# Altium PCB Discharge_B4.PcbDoc (part 2 of 2)
Units mm, origin at the board's own origin, x right, y up, seen from the top; angles counter-clockwise.
Board outline 168.78 x 82.3 mm, 4 copper layers (Top Layer, GND, PWR, Bottom Layer), stack 1.369 mm thick; 174 components, 117 nets, 557 pads, 679 vias.
Unrouted connection lines stored in the file: 9.
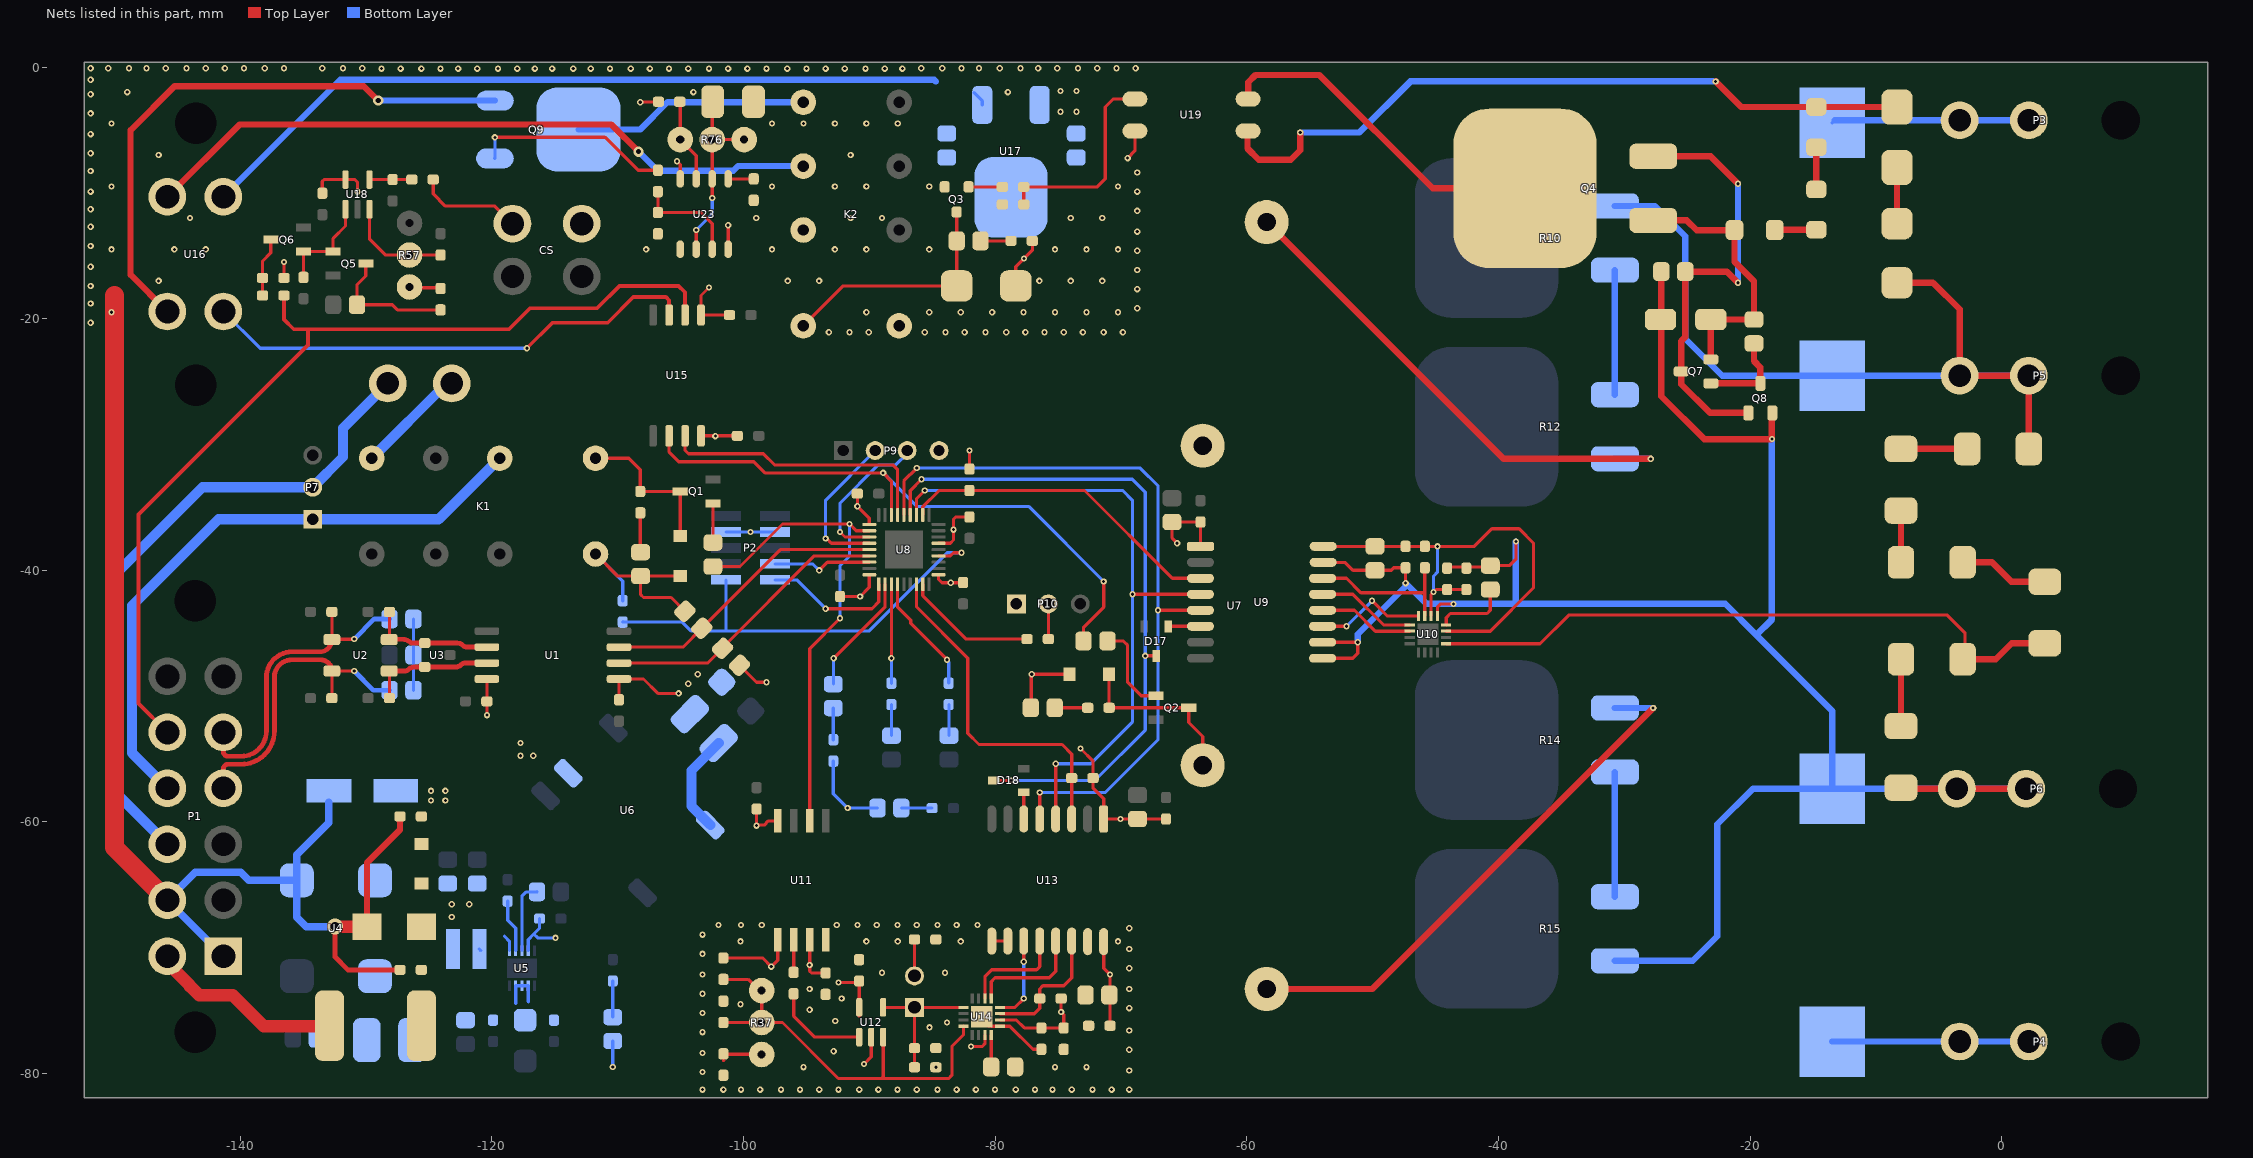
[diagram p4: the nets of this part, all layers, seen from the top]

## Via types
v1: diameter 0.5, hole 0.25, Top Layer to Bottom Layer, 676 vias
v2: diameter 0.8, hole 0.4, Top Layer to Bottom Layer, 2 vias
v3: diameter 1.27, hole 0.711, Top Layer to Bottom Layer, 1 vias

## Nets (pads, with @x,y where several pads share a name; then routed paths per layer and width w, separated by ;. In a path a pad name is that pad's centre, name@x,y a point inside that pad or via, vN(x,y) a via of type N, cw(c..) or ccw(c..) an arc to the next point about the centre after c; other vN are vias at no path point) (continued)
3V3: C2.2 C21.2 C22.2 C23.2 C24.2 C25.2 C30.1 C31.1 C35.2 C42.1 C43.1 C48.2 D5.A D6.A D7.K D8.A D9.K K1.1 L3.1 P2.7 P2.8 P9.4 P10.1 R16.2 R19.2 R20.2 R21.2 R22.2 R23.2 U1.1 U7.2 U8.1 U8.6 U8.19 U8.27 U9.1 U11.8 U13.1 U15.8 | length 81.2
  Top Layer w0.254: K1.1@-111.76,-38.708 -110.009,-40.459 D6.A@-108.178,-40.459 ; C2.2@-109.896,-50.292 U1.1@-109.896,-48.641 -107.95,-48.641 -106.807,-49.784 v1(-105.156,-49.784) ; D7.K@-105.029,-40.437 -105.051,-40.459 D6.A@-108.178,-40.459 ; R20.2@-104.658,-43.26 -105.754,-42.164 -107.95,-42.164 -108.178,-41.936 D6.A@-108.178,-40.459 ; U15.8@-103.378,-29.311 C48.2@-100.486,-29.311 ; R19.2@-100.32,-47.545 -98.97,-48.895 v1(-98.171,-48.895) ; C35.2@-98.959,-58.977 v1(-98.959,-60.299) -98.912,-60.252 -98.352,-60.252 -98.018,-59.918 U11.8@-97.282,-59.918 ; C25.2@-92.329,-42.086 v1(-90.727,-42.086) -89.999,-41.358 U8.27@-89.999,-40.354 ; C24.2@-90.949,-33.909 v1(-90.949,-34.908) -89.999,-35.858 U8.19@-89.999,-36.354 ; U8.6@-84.499,-37.854 -83.574,-37.854 -83.312,-37.592 v1(-83.312,-36.767) -83.312,-35.941 -83.136,-35.765 C22.2@-82.042,-35.765 ; U8.1@-84.497,-40.356 U8.1@-84.499,-40.354 -84.499,-40.723 -84.226,-40.996 v1(-83.528,-40.996) C23.2@-82.829,-40.996 ; R22.2@-82.042,-31.955 v1(-82.042,-30.48) ; D8.A@-77.162,-50.927 -77.125,-50.891 -77.125,-48.296 v1(-77.089,-48.26) D9.K@-74.092,-48.26 ; v1(-73.215,-54.165) -72.214,-55.167 R23.2@-72.214,-56.515 -72.214,-57.326 -71.374,-58.166 U13.1@-71.374,-59.766 v1(-70.027,-59.766) C43.1@-68.681,-59.766 C42.1@-66.421,-59.766 ; v1(-65.532,-37.846) -65.938,-37.44 C31.1@-65.938,-36.165 C30.1@-63.678,-36.165 U9.1@-63.678,-38.1
  Bottom Layer w0.254: K1.1@-111.76,-38.708 -109.601,-40.867 R21.2@-109.601,-42.418 ; P2.7@-101.391,-36.957 P2.8@-97.491,-36.957 ; R16.2@-92.863,-55.167 -92.863,-57.759 v1(-91.72,-58.902) D5.A@-89.354,-58.902
  other v1: -104.394,-49.022 -103.632,-48.26 -99.441,-36.957 -102.235,-29.337
5kW: P1.8 R60.1 U15.2 | length 76.2
  Top Layer w0.3: P1.8@-145.796,-52.877 -148.082,-50.591 -148.082,-35.56 -134.62,-22.098 -134.62,-20.848 ; R60.1@-136.525,-18.161 -136.525,-20.066 -135.743,-20.848 -134.62,-20.848 ; U15.2@-104.648,-19.711 -104.648,-19.254 U15.2@-104.498,-19.104 ; U15.2@-104.648,-19.104 -104.648,-17.907 -105.156,-17.399 -109.855,-17.399 -111.633,-19.177 -116.967,-19.177 -118.638,-20.848 -134.62,-20.848
5V: C1.2 C17.2 C19.2 C20.2 C47.2 C56.2 CS.2 D4.A L2.1 R56.2 R57.1 R59.2 U1.8 U5.4 U6.2 U15.1 U18.5 | length 22.5
  Top Layer w0.254: R59.2@-136.525,-16.764 v1(-136.525,-15.494) ; C56.2@-133.477,-9.674 -133.477,-9.09 -133.328,-8.941 U18.5@-131.633,-8.941 -130.9,-8.941 -130.683,-9.157 v1(-130.683,-9.906) ; R57.1@-126.543,-17.485 -126.483,-17.545 -124.138,-17.545 R56.2@-124.079,-17.604 ; v1(-120.396,-51.513) C1.2@-120.396,-50.419 U1.8@-120.396,-48.641 ; v1(-102.743,-17.526) -103.378,-18.161 U15.1@-103.378,-19.711 C47.2@-101.11,-19.711
  Bottom Layer w0.254: U5.4@-117.11,-70.231 -117.11,-69.358 -116.661,-68.909 ; C17.2@-116.213,-67.687 -116.213,-68.461 -116.661,-68.909 ; v1(-114.935,-69.215) -116.356,-69.215 -116.661,-68.909 ; v1(-110.389,-79.476) D4.A@-110.389,-77.416
  other v1: -123.19,-67.564 -123.19,-66.548 -121.793,-66.548 -117.729,-54.737 -116.713,-54.737 -117.729,-53.721
12V: C50.2 D15.K K2.4 K2.16 R5.2 R46.2 U17.3 U19.4 U23.4 U23.8 | length 11.3
  Top Layer w0.254: v1(-108.204,-2.794) -108.187,-2.777 -106.78,-2.777 R46.2@-106.763,-2.76 ; v1(-105.283,-7.493) -105.029,-7.747 U23.8@-105.029,-8.89 ; U23.4@-101.219,-14.478 v1(-101.219,-12.573) ; D15.K@-78.358,-17.399 -78.358,-15.874 -77.04,-14.556 R5.2@-77.04,-13.817 ; v1(-69.469,-7.239) -68.893,-6.663 U19.4@-68.893,-5.207
  other v1: -77.699,-15.215 -74.803,-3.556 -73.533,-3.556 -74.803,-1.905 -73.533,-1.905
BOOT0: P10.2 R24.1 | length 2.8
  Top Layer w0.254: P10.2@-75.819,-42.672 P10.2@-75.794,-42.697 ; R24.1@-75.795,-45.491 R24.1@-75.77,-45.466 R24.1@-75.794,-45.442 ; R24.1@-75.77,-45.442 P10.2@-75.77,-42.697
CAN1_F_N: C5.2 U1.6 U2.3 U3.1 | length 10.1
  Top Layer w0.254: U2.3@-128.143,-45.484 C5.2@-128.143,-43.307
  Top Layer w0.381: U2.3@-128.143,-45.484 -127.062,-45.484 cw(c-127.062,-46.29) -126.492,-45.72 ccw(c-126.333,-45.561) -126.333,-45.786 U3.1@-125.333,-45.786 -122.755,-45.786 cw(c-122.755,-46.428) -122.301,-45.974 ccw(c-121.994,-45.667) -121.994,-46.101 U1.6@-120.396,-46.101
CAN1_F_P: C6.2 U1.7 U2.4 U3.2 | length 10.1
  Top Layer w0.254: U2.4@-128.165,-48.006 -128.143,-48.028 C6.2@-128.143,-50.165
  Top Layer w0.381: U2.4@-128.165,-48.006 -126.926,-48.006 ccw(c-126.926,-47.572) -126.619,-47.879 cw(c-126.153,-48.345) -126.153,-47.686 U3.2@-125.333,-47.686 -122.882,-47.686 ccw(c-122.882,-47.044) -122.428,-47.498 cw(c-122.121,-47.805) -122.121,-47.371 U1.7@-120.396,-47.371
CAN1_N: C3.2 P1.5 R4.1 U2.2 | length 25
  Top Layer w0.254: C3.2@-132.715,-43.307 U2.2@-132.715,-45.506 -132.695,-45.486 -130.957,-45.486 v1(-130.937,-45.466)
  Top Layer w0.381: P1.5@-141.346,-52.877 -141.346,-54.404 ccw(c-140.965,-54.404) -140.965,-54.785 -139.926,-54.785 ccw(c-139.926,-52.781) -138.509,-54.198 ccw(c-139.926,-52.781) -137.922,-52.781 -137.922,-48.509 cw(c-135.895,-48.509) -135.895,-46.482 -133.691,-46.482 ccw(c-133.691,-45.506) U2.2@-132.715,-45.506
  Bottom Layer w0.381: v1(-130.937,-45.466) -129.338,-43.867 R4.1@-128.138,-43.867
CAN1_P: C4.2 P1.4 R3.2 U2.1 | length 24.8
  Top Layer w0.254: C4.2@-132.715,-50.165 U2.1@-132.715,-48.006 v1(-130.937,-48.006)
  Top Layer w0.381: P1.4@-141.346,-57.327 -141.346,-55.801 cw(c-140.965,-55.801) -140.965,-55.42 -139.922,-55.42 ccw(c-139.922,-52.789) -138.062,-54.649 -138.057,-54.644 ccw(c-139.916,-52.785) -137.287,-52.785 -137.287,-48.509 cw(c-135.895,-48.509) -135.895,-47.117 -133.604,-47.117 cw(c-133.604,-48.006) U2.1@-132.715,-48.006
  Bottom Layer w0.381: v1(-130.937,-48.006) -129.413,-49.53 R3.2@-128.138,-49.53
CAN_RX_INDC: R18.2 U8.31 | length 9.5
  Top Layer w0.254: U8.31@-87.749,-41.104 -87.749,-42.934 -86.706,-43.977 -86.706,-44.223 v1(-83.818,-47.111)
  Bottom Layer w0.254: v1(-83.818,-47.111) -83.818,-47.178 -83.693,-47.302 R18.2@-83.693,-48.947
CAN_TX_INDC: R17.2 U8.30 | length 7.9
  Top Layer w0.254: v1(-88.249,-46.99) U8.30@-88.249,-41.104
  Bottom Layer w0.254: R17.2@-88.249,-48.973 v1(-88.249,-46.99)
CLK_ADC: U13.13 U14.13 | length 9.2
  Top Layer w0.254: U14.13@-80.313,-74.041 -80.313,-72.693 -80.01,-72.39 -75.692,-72.39 -75.184,-71.882 U13.13@-75.184,-69.468
CLK_HV: U9.13 U10.13 | length 7.9
  Top Layer w0.254: U9.13@-53.976,-41.91 -51.562,-41.91 -49.133,-44.339 U10.13@-47.047,-44.339
Clock: R47.1 R49.2 U23.3 | length 8.4
  Top Layer w0.254: R47.1@-106.807,-9.906 R49.2@-106.807,-11.557 -103.378,-11.557 -102.489,-12.446 U23.3@-102.489,-14.478
CS_ADC: R39.1 U13.14 U14.11 | length 10.7
  Top Layer w0.254: U14.11@-79.613,-75.241 -76.892,-75.241 -76.454,-74.803 R39.1@-76.454,-74.041 -76.454,-73.279 -76.2,-73.025 -74.549,-73.025 -73.914,-72.39 U13.14@-73.914,-69.468
CS_HV: R32.1 U9.14 U10.11 | length 12.5
  Top Layer w0.254: U9.14@-53.976,-40.64 -52.07,-40.64 -50.927,-41.783 -45.91,-41.783 -45.847,-41.719 ; U10.11@-45.847,-43.639 -45.847,-41.719 ; R32.1@-45.847,-39.8 -45.847,-41.719
Discharge: R46.1 R76.3 U23.7 | length 6.7
  Top Layer w0.254: R46.1@-105.029,-2.76 R76.3@-105.029,-5.766 -103.759,-7.036 U23.7@-103.759,-8.89
DISCHARGE_DISABLE: U15.3 U16.1 | length 39.6
  Top Layer w0.3: v1(-117.221,-22.352) -115.189,-20.32 -110.794,-20.32 -108.762,-18.288 -106.172,-18.288 -105.918,-18.542 U15.3@-105.918,-19.711
  Bottom Layer w0.254: U16.1@-141.346,-19.431 -138.425,-22.352 v1(-117.221,-22.352)
GL_IN: HVD.1@-128.27,-25.146 P1.10 P7.2 | length 52.8
  Bottom Layer w0.8: P1.10@-145.796,-61.777 -150.368,-57.205 -150.368,-40.767 -143.002,-33.401 P7.2@-134.239,-33.401 -131.826,-30.988 -131.826,-28.702 HVD.1@-128.27,-25.146
GL_INT: HVD.1@-123.19,-25.146 K1.9 | length 8.8
  Bottom Layer w0.8: K1.9@-129.54,-31.088 -123.598,-25.146 HVD.1@-123.19,-25.146
GL_OUT: K1.13 P1.9 P7.1 | length 49.7
  Bottom Layer w0.8: P1.9@-145.796,-57.327 -148.59,-54.533 -148.59,-42.799 -141.732,-35.941 P7.1@-134.239,-35.941 -124.233,-35.941 K1.13@-119.38,-31.088
GLV+: F1.1 P1.12 | length 15.5
  Top Layer w0.8: F1.1@-132.94,-76.237 F1.1@-132.903,-76.2
  Top Layer w1: P1.12@-145.796,-70.677 -145.796,-71.218 -143.999,-73.015 -143.999,-73.044 -143.256,-73.787 -140.589,-73.787 -138.139,-76.237 F1.1@-132.94,-76.237
GLV-: C11.1 C12.1 C13.1 C49.1 C50.1 C51.1 C52.1 D3.K P1.1 P1.11 Q3.E R43.1 R49.1 U4.4 U17.2 U23.1 | length 101.9
  Top Layer w0.254: C12.1@-127.581,-59.841 -127.581,-59.83 -127.313,-59.563 C12.1@-127.303,-59.563
  Top Layer w0.4: v3(-132.461,-68.326) -132.461,-70.739 -131.445,-71.755 C11.1@-127.303,-71.755
  Top Layer w0.508: D3.K@-129.927,-68.326 -129.927,-63.252 -127.303,-60.628 C12.1@-127.303,-59.563
  Top Layer w1: v3(-132.461,-68.326) D3.K@-129.927,-68.326
  Top Layer w1.5: -149.987,-18.161 -149.987,-62.036 P1.11@-145.796,-66.227
  Bottom Layer w0.6: P1.1@-141.346,-70.677 P1.11@-145.796,-66.227 -143.577,-64.008 -139.954,-64.008 -139.319,-64.643 U4.4@-135.506,-64.643 ; C13.1@-132.952,-58.42 -132.952,-60.054 -135.506,-62.608 U4.4@-135.506,-64.643 ; v3(-132.461,-68.326) -134.747,-68.326 -135.506,-67.567 U4.4@-135.506,-64.643
  other v1: -93.218,-21.082 -91.567,-21.082 -90.043,-21.082 -85.598,-21.082 -83.947,-21.082 -82.423,-21.082 -80.772,-21.082 -79.121,-21.082 -77.597,-21.082 -76.073,-21.082 -74.549,-21.082 -73.025,-21.082 -71.374,-21.082 -69.85,-21.082 -151.892,-20.32 -150.237,-19.493 -90.237,-19.493 -85.237,-19.493 -82.737,-19.493 -80.237,-19.493 -77.737,-19.493 -75.237,-19.493 -72.737,-19.493 -70.237,-19.493 -68.707,-19.177 -151.892,-18.796 -68.707,-17.653 -151.892,-17.399 -146.487,-16.993 -96.487,-16.993 -93.987,-16.993 -76.487,-16.993 -73.987,-16.993 -71.487,-16.993 -68.707,-16.129 -151.892,-15.875 -68.707,-14.605 -150.237,-14.493 -145.237,-14.493 -142.737,-14.493 -107.737,-14.493 -97.737,-14.493 -92.737,-14.493 -90.237,-14.493 -85.237,-14.493 -75.237,-14.493 -72.737,-14.493 -70.237,-14.493 -151.892,-14.224 -68.707,-13.081 -151.892,-12.7 -143.987,-11.993 -98.987,-11.993 -91.487,-11.993 -88.987,-11.993 -73.987,-11.993 -71.487,-11.993 -68.707,-11.43 -151.892,-11.303 -151.892,-9.906 -68.707,-9.906 -150.237,-9.493 -97.737,-9.493 -92.737,-9.493 -90.237,-9.493 -85.237,-9.493 -70.237,-9.493 -68.707,-8.382 -151.892,-8.255 -146.487,-6.993 -91.487,-6.993 -151.892,-6.858 -151.892,-5.334 -150.237,-4.493 -97.737,-4.493 -95.237,-4.493 -92.737,-4.493 -90.237,-4.493 -87.737,-4.493 -151.892,-3.683 -151.892,-2.159 -148.987,-1.993 -103.987,-1.993 -78.987,-1.993 -151.892,-1.016 -128.778,-0.127 -127.254,-0.127 -125.603,-0.127 -124.079,-0.127 -122.682,-0.127 -121.158,-0.127 -119.507,-0.127 -117.983,-0.127 -116.586,-0.127 -115.211,-0.127 -113.538,-0.127 -112.141,-0.127 -110.611,-0.127 -108.966,-0.127 -107.442,-0.127 -105.918,-0.127 -104.394,-0.127 -102.743,-0.127 -101.219,-0.127 -99.695,-0.127 -98.171,-0.127 -96.52,-0.127 -94.996,-0.127 -93.472,-0.127 -91.948,-0.127 -90.297,-0.127 -88.773,-0.127 -87.376,-0.127 -151.892,-0.1 -150.495,-0.1 -148.844,-0.1 -147.447,-0.1 -145.923,-0.1 -144.272,-0.1 -142.748,-0.1 -141.224,-0.1 -139.7,-0.1 -138.049,-0.1 -136.525,-0.1 -133.477,-0.1 -131.826,-0.1 -130.302,-0.1 -85.871,-0.1 -84.201,-0.1 -82.677,-0.1 -81.28,-0.1 -79.629,-0.1 -77.978,-0.1 -76.581,-0.1 -75.057,-0.1 -73.406,-0.1 -71.882,-0.1 -70.358,-0.1 -68.834,-0.1
GND_PDOC: C36.1 C37.1 C38.1 C39.1 C40.2 C41.2 C44.1 C45.1 C46.1 R35.1 R38.1 U11.4 U12.2 U13.9 U13.10 U13.15 U14.9 U14.17 | length 8.9
  Top Layer w0.254: v1(-90.424,-79.248) -89.85,-78.674 U12.2@-89.85,-77.8 ; U14.17@-81.063,-75.491 ccw(c-80.313,-75.491) -80.313,-76.241 U14.9@-79.613,-76.241 -78.826,-76.241 -76.991,-78.076 C45.1@-76.327,-78.076 ; U13.9@-80.264,-69.469 U13.10@-78.994,-69.468
  other v1: -103.251,-81.28 -101.6,-81.28 -100.203,-81.28 -98.679,-81.28 -97.028,-81.28 -95.504,-81.28 -93.98,-81.28 -92.456,-81.28 -90.805,-81.28 -89.281,-81.28 -87.757,-81.28 -86.233,-81.28 -84.582,-81.28 -83.058,-81.28 -81.534,-81.28 -80.01,-81.28 -78.359,-81.28 -76.835,-81.28 -75.438,-81.28 -73.914,-81.28 -72.263,-81.28 -70.739,-81.28 -69.342,-81.28 -103.251,-79.883 -69.342,-79.756 -95.237,-79.493 -75.237,-79.493 -72.737,-79.493 -103.251,-78.359 -92.837,-78.232 -69.342,-78.105 -103.251,-76.708 -69.342,-76.581 -85.217,-76.327 -83.82,-75.946 -92.71,-75.819 -103.251,-75.184 -94.742,-74.93 -69.342,-74.803 -100.237,-74.493 -92.202,-74.041 -103.251,-73.66 -94.742,-73.279 -69.342,-73.279 -103.251,-72.136 -88.987,-71.993 -83.987,-71.993 -69.342,-71.628 -103.251,-70.485 -69.342,-70.104 -100.237,-69.493 -90.237,-69.493 -87.737,-69.493 -82.737,-69.493 -70.237,-69.493 -103.251,-68.961 -69.342,-68.453 -101.981,-68.199 -100.203,-68.199 -98.552,-68.199 -92.583,-68.199 -90.932,-68.199 -89.408,-68.199 -87.757,-68.199 -86.233,-68.199 -84.582,-68.199 -83.058,-68.199 -81.407,-68.199
HB: D10.K U8.29 | length 9.6
  Top Layer w0.254: v1(-92.837,-46.99) -88.749,-42.902 U8.29@-88.749,-41.104
  Bottom Layer w0.254: D10.K@-92.837,-49.025 v1(-92.837,-46.99)
HIGH_SENSE: CS.1 R58.1 | length 8.4
  Top Layer w0.254: R58.1@-124.665,-8.941 -124.665,-10.082 -123.698,-11.049 -119.761,-11.049 CS.1@-118.364,-12.446
"HV MC +": D2.A P5.1 P5.2 R1.2 R10.1 R26.2 | length 65.7
  Top Layer w0.508: D2.A@-8.319,-17.145 -5.461,-17.145 -3.341,-19.265 P5.2@-3.341,-24.528 P5.1@2.159,-24.528 R26.2@2.159,-30.353
  Bottom Layer w0.508: R10.1@-30.737,-11.043 -27.565,-11.043 -25.146,-13.462 -25.146,-21.59 -22.208,-24.528 R1.2@-13.462,-24.528 P5.2@-3.341,-24.528 P5.1@2.159,-24.528
"HV MC-": C28.2 C29.2 C32.1 C33.1 C34.1 D20.A P6.1 P6.2 Q8.E R2.2 R15.2 R31.1 R48.1 U9.9 U9.10 U9.15 U10.9 | length 171.5
  Top Layer w0.254: U9.10@-53.976,-45.72 v1(-51.181,-45.72) -51.181,-46.609 -51.562,-46.99 U9.9@-53.975,-46.99 ; U9.15@-53.925,-39.37 -52.197,-39.37 -51.567,-40 C29.2@-49.81,-40 -48.509,-40 -48.309,-39.8 C28.2@-47.371,-39.8 v1(-47.371,-41.021) ; U10.9@-44.847,-43.639 -44.845,-43.637 -44.845,-42.94 -44.577,-42.672 v1(-43.561,-42.672) ; C34.1@-44.069,-39.829 -43.969,-39.729 -40.74,-39.729 C32.1@-40.64,-39.629 -39.121,-39.629 -38.608,-39.116 v1(-38.608,-37.719) ; D20.A@-27.114,-20.066 D20.A@-27.046,-19.998 ; v1@-18.288,-29.591 v1(-18.257,-29.56) ; Q8.E@-18.257,-27.522 Q8.E@-18.227,-27.491 ; R31.1@-8.001,-57.277 R31.1@-7.923,-57.355
  Top Layer w0.508: R48.1@-27.046,-16.256 -27.046,-19.998 -27.046,-26.167 -23.622,-29.591 v1@-18.288,-29.591 ; v1(-18.257,-29.56) Q8.E@-18.257,-27.522 ; R31.1@-7.923,-57.355 P6.2@-3.556,-57.355 P6.1@1.944,-57.355
  Bottom Layer w0.508: v1(-51.181,-45.72) -51.181,-45.085 -47.371,-41.275 v1(-47.371,-41.021) -45.72,-42.672 v1(-43.561,-42.672) -38.608,-42.672 ; v1(-38.608,-37.719) -38.608,-42.672 ; R15.2@-30.737,-71.042 -24.56,-71.042 -22.606,-69.088 -22.606,-60.198 -19.763,-57.355 R2.2@-13.462,-57.355 ; v1(-18.257,-29.56) -18.257,-43.912 -19.494,-45.149 ; P6.1@1.944,-57.355 P6.2@-3.556,-57.355 R2.2@-13.462,-57.355 ; -38.608,-42.672 -21.971,-42.672 -19.494,-45.149 ; -19.494,-45.149 -13.462,-51.181 R2.2@-13.462,-57.355
HVVDD: C28.1 C29.1 C33.2 C34.2 R32.2 U9.16 U10.7 U10.10 | length 38.2
  Top Layer w0.254: U9.16@-53.925,-38.1 C29.1@-49.81,-38.1 C28.1@-47.371,-38.1 R32.2@-45.847,-38.1 v1(-44.831,-38.1) -41.91,-38.1 -40.513,-36.703 -38.354,-36.703 -37.211,-37.846 -37.211,-41.402 -40.648,-44.839 U10.7@-44.147,-44.839 ; U10.10@-45.347,-43.639 -45.347,-41.918 v1(-45.153,-41.724) -44.958,-41.529 C34.2@-44.069,-41.529 C33.2@-42.545,-41.529
  Bottom Layer w0.254: v1(-45.153,-41.724) -45.153,-40.454 -44.831,-40.132 v1(-44.831,-38.1) v1@-44.831,-38.065
MISO_ADC: U13.11 U14.12 | length 6.8
  Top Layer w0.254: U14.12@-79.613,-74.741 -78.424,-74.741 v1(-77.724,-74.041) ; v1(-77.724,-71.12) U13.11@-77.724,-69.468
  Bottom Layer w0.254: v1(-77.724,-74.041) v1(-77.724,-71.12)
MISO_HV: U9.11 U10.12 | length 9
  Top Layer w0.254: U9.11@-53.976,-44.45 v1(-52.07,-44.45) ; v1(-50.038,-42.418) -48.817,-43.639 U10.12@-46.347,-43.639
  Bottom Layer w0.254: v1(-52.07,-44.45) v1(-50.038,-42.418)
MOSI_ADC: U13.12 U14.14 | length 8.5
  Top Layer w0.254: U14.14@-80.813,-74.041 -80.813,-72.304 -80.264,-71.755 -76.708,-71.755 -76.454,-71.501 U13.12@-76.454,-69.468
MOSI_HV: U9.12 U10.14 | length 7.6
  Top Layer w0.254: U9.12@-53.976,-43.18 -51.435,-43.18 -49.776,-44.839 U10.14@-47.047,-44.839
NetC7_2: C7.2 R3.1 R4.2 | length 5.7
  Bottom Layer w0.254: R3.1@-126.238,-49.53 C7.2@-126.238,-46.736 R4.2@-126.238,-43.867
NetC8_2: C8.2 L1.2 U4.2
NetC11_2: C11.2 D1.A D3.A F1.2
NetC16_2: C16.2 U5.3 | length 5.7
  Bottom Layer w0.254: U5.3@-117.61,-70.231 -117.61,-65.896 -117.295,-65.581 -116.436,-65.581 C16.2@-116.413,-65.558
NetC18_2: C18.2 U5.2 | length 4.2
  Bottom Layer w0.254: C18.2@-118.745,-66.294 -118.745,-67.818 -118.11,-68.453 U5.2@-118.11,-70.231
NetC32_2: C32.2 U10.8 | length 6
  Top Layer w0.254: U10.8@-44.147,-44.339 -44.147,-43.766 -43.815,-43.434 -40.894,-43.434 -40.64,-43.18 C32.2@-40.64,-41.529
NetC36_2: C36.2 P11.2 R33.1 U12.4 U14.1 | length 11.1
  Top Layer w0.254: U12.4@-88.9,-74.741 P11.2@-86.409,-74.741 ; R33.1@-86.409,-79.502 C36.2@-86.409,-77.978 P11.2@-86.409,-74.741 ; U14.1@-82.513,-74.741 P11.2@-86.409,-74.741
NetC39_2: C39.2 R36.1 R37.1 R37.2 U12.3 U14.4 | length 33.2
  Top Layer w0.254: C39.2@-101.6,-75.946 R37.2@-98.552,-75.946 ; R36.1@-101.6,-72.517 -99.639,-72.517 R37.1@-98.75,-73.406 ; R37.1@-98.75,-73.914 -98.552,-73.914 R37.2@-98.552,-75.946 ; U12.3@-88.9,-77.103 -88.9,-80.242 -89.049,-80.391 ; U14.4@-82.513,-76.241 -82.513,-76.925 -83.439,-77.851 -83.439,-80.137 -83.693,-80.391 -89.049,-80.391 ; R37.2@-98.552,-75.946 -96.901,-75.946 -92.456,-80.391 -89.049,-80.391
NetC44_2: C44.2 U14.8 | length 2.5
  Top Layer w0.254: C44.2@-80.313,-79.476 U14.8@-80.313,-76.941
NetC51_2: C51.2 U23.5 | length 2
  Top Layer w0.254: U23.5@-101.219,-8.89 C51.2@-99.187,-8.89
NetC55_2: C55.2 R57.2 U18.3 | length 8.5
  Top Layer w0.254: U18.3@-129.733,-11.303 -129.733,-13.65 -128.438,-14.945 R57.2@-126.543,-14.945 C55.2@-124.079,-14.945
NetC57_2: C57.2 R58.2 U18.4 | length 3.4
  Top Layer w0.254: U18.4@-129.733,-8.941 -127.696,-8.941 R58.2@-126.365,-8.941
NetD2_K: D2.K D13.K | length 4.6
  Top Layer w0.508: D2.K@-8.319,-12.445 D13.K@-8.319,-7.852
NetD4_K: D4.K R6.2 | length 2.9
  Bottom Layer w0.254: D4.K@-110.389,-75.516 R6.2@-110.389,-72.644
NetD5_K: D5.K R7.2 | length 2.4
  Bottom Layer w0.254: D5.K@-87.454,-58.902 R7.2@-85.012,-58.902
NetD6_K: D6.K R8.2 | length 3.1
  Top Layer w0.254: R8.2@-108.204,-35.433 -108.204,-38.533 D6.K@-108.178,-38.559
NetD7_A: D7.A K1.16 Q1.D R8.1 | length 12.4
  Top Layer w0.254: K1.16@-111.76,-31.088 -109.12,-31.088 -108.204,-32.004 R8.1@-108.204,-33.733 Q1.D@-105.029,-33.733 D7.A@-105.029,-37.287
NetD8_K: D8.K R13.2 | length 2.6
  Top Layer w0.254: D8.K@-75.262,-50.927 R13.2@-72.642,-50.927
NetD9_A: D9.A Q2.D R13.1 U7.3 | length 14
  Top Layer w0.254: D9.A@-70.942,-48.26 R13.1@-70.942,-50.927 Q2.D@-64.613,-50.927 -64.613,-52.1 -63.5,-53.213 U7.3@-63.5,-55.499
NetD10_A: D10.A R16.1 | length 2.5
  Bottom Layer w0.254: R16.1@-92.863,-53.467 D10.A@-92.863,-50.952
NetD11_A: D11.A R17.1 | length 2.5
  Bottom Layer w0.254: D11.A@-88.249,-53.14 R17.1@-88.249,-50.673
NetD12_A: D12.A R18.1 | length 2.5
  Bottom Layer w0.254: D12.A@-83.667,-53.14 R18.1@-83.667,-50.673
NetD13_A: D13.A R40.2 U19.1 | length 56.7
  Top Layer w0.508: U19.1@-59.944,-5.207 -59.944,-6.477 -59.055,-7.366 -56.515,-7.366 -55.753,-6.604 v1(-55.753,-5.207) ; v1(-22.733,-1.143) -20.701,-3.175 R40.2@-15.367,-3.175 ; R40.2@-14.732,-3.175 D13.A@-8.441,-3.175
  Bottom Layer w0.508: v1(-55.753,-5.207) -51.054,-5.207 -46.99,-1.143 v1(-22.733,-1.143)
NetD15_A: D15.A D19.K K2.1 Q3.C | length 19.4
  Top Layer w0.254: K2.1@-95.25,-20.574 -92.075,-17.399 D15.A@-83.058,-17.399 D19.K@-83.058,-13.817 Q3.C@-83.058,-11.525
NetD16_A: D16.A Q5.D R56.1 | length 10.1
  Top Layer w0.254: Q5.D@-130.018,-15.616 -130.018,-16.607 -130.718,-17.307 D16.A@-130.718,-18.897 -127.915,-18.897 -127.508,-19.304 R56.1@-124.333,-19.304
NetD17_A: D17.A U9.6 | length 2.6
  Top Layer w0.254: D17.A@-66.233,-44.386 ccw(c-66.169,-44.386) -66.169,-44.45 U9.6@-63.678,-44.45
NetD17_K: D17.K D18.K U8.13 | length 54.9
  Top Layer w0.254: U8.13@-86.749,-35.604 -86.749,-33.663 v1(-85.852,-32.766) ; D18.K@-80.074,-56.708 v1(-78.74,-56.708) ; v1@-68.072,-46.736 ccw(c-68.008,-46.736) -68.008,-46.8 D17.K@-67.183,-46.8
  Bottom Layer w0.254: v1(-85.852,-32.766) -69.088,-32.766 -68.072,-33.782 -68.072,-52.705 -72.075,-56.708 v1(-78.74,-56.708)
  other v1: -68.072,-46.8
NetD18_A: D18.A U13.6 | length 2.1
  Top Layer w0.254: U13.6@-77.724,-59.766 D18.A@-77.724,-57.658
NetD19_A: D19.A R5.1 | length 2.4
  Top Layer w0.254: D19.A@-81.158,-13.817 R5.1@-78.74,-13.817
NetD20_K: D20.K Q4.G Q7.E R44.1 R45.2 | length 21.1
  Top Layer w0.508: Q4.G@-27.686,-12.192 -25.019,-12.192 -24.231,-12.98 -21.26,-12.98 R44.1@-21.234,-12.954 -21.234,-15.469 -19.685,-17.018 R45.2@-19.685,-20.066 D20.K@-23.114,-20.066 Q7.E@-23.114,-23.241
NetL2_2: L2.2 U5.1 | length 1.5
  Bottom Layer w0.254: L2.2@-120.997,-70.104 L2.2@-120.87,-70.231 ; -118.999,-69.088 -118.61,-69.477 U5.1@-118.61,-70.231
NetL3_2: L3.2 U6.5 | length 8
  Bottom Layer w0.8: U6.5@-102.637,-60.25 -104.14,-58.747 -104.14,-55.904 L3.2@-101.969,-53.733
NetP3_1: P3.1 P3.2 R1.1 | length 15.7
  Bottom Layer w0.254: R1.1@-13.462,-4.428 R1.1@-13.264,-4.23
  Bottom Layer w0.508: R1.1@-13.264,-4.23 P3.2@-3.341,-4.23 P3.1@2.159,-4.23
NetP4_1: P4.1 P4.2 R2.1 | length 15.6
  Bottom Layer w0.508: R2.1@-13.462,-77.455 P4.2@-3.341,-77.455 P4.1@2.159,-77.455
NetP11_1: P11.1 R35.2 | length 3
  Top Layer w0.254: P11.1@-86.409,-72.303 R35.2@-86.409,-69.342
NetQ1_G: Q1.G R9.2 | length 3.1
  Top Layer w0.254: R9.2@-102.429,-37.797 Q1.G@-102.429,-34.683
NetQ2_G: Q2.G R11.2 | length 7.4
  Top Layer w0.254: R11.2@-71.071,-45.619 -69.824,-45.619 -69.469,-45.974 -69.469,-48.895 -68.387,-49.977 Q2.G@-67.213,-49.977
NetQ3_B: Q3.B R42.2 | length 2.7
  Top Layer w0.254: Q3.B@-82.108,-9.525 R42.2@-79.424,-9.525
NetQ4_D: Q4.D U19.2 | length 27.3
  Top Layer w0.508: U19.2@-59.893,-2.54 -59.893,-1.219 -59.309,-0.635 -54.229,-0.635 -45.222,-9.642 Q4.D@-37.886,-9.642
NetQ4_S: Q4.S Q7.C Q8.B R48.2 | length 35.4
  Top Layer w0.508: Q4.S@-27.686,-7.092 -23.134,-7.092 v1(-20.955,-9.271) ; v1(-20.955,-17.145) -21.844,-16.256 R48.2@-25.146,-16.256 -25.146,-21.463 -25.464,-21.781 -25.464,-25.209 -23.182,-27.491 Q8.B@-20.127,-27.491
  Bottom Layer w0.508: v1(-20.955,-17.145) v1(-20.955,-9.271)
NetQ5_G: Q5.G Q6.G R61.2 U18.1 | length 8.2
  Top Layer w0.254: R61.2@-134.971,-16.715 Q6.G@-134.971,-14.666 Q5.G@-132.618,-14.666 -132.618,-13.619 -131.633,-12.634 U18.1@-131.633,-11.303
NetQ6_D: Q6.D R59.1 R60.2 | length 4.7
  Top Layer w0.254: R60.2@-138.225,-18.161 R59.1@-138.225,-16.764 -138.225,-15.416 -137.571,-14.762 Q6.D@-137.571,-13.716
NetQ7_B: Q7.B Q8.C R45.1 | length 7.3
  Top Layer w0.508: Q7.B@-23.114,-25.141 Q8.C@-19.177,-25.141 -19.177,-23.876 -19.685,-23.368 R45.1@-19.685,-21.966
NetQ9_G: Q9.G R47.2 | length 15.7
  Top Layer w0.254: v1(-119.761,-5.588) -110.998,-5.588 -108.38,-8.206 R47.2@-106.807,-8.206
  Bottom Layer w0.254: Q9.G@-119.775,-7.253 Q9.G@-119.761,-7.267 v1(-119.761,-5.588)
NetR9_1: R9.1 U8.20 U11.6 | length 39
  Top Layer w0.254: R9.1@-102.429,-39.697 -100.276,-39.697 -96.901,-36.322 v1(-91.567,-36.322) -91.035,-36.854 U8.20@-89.999,-36.854 ; U11.6@-94.742,-59.918 -94.742,-46.228 v1(-92.329,-43.815)
  Bottom Layer w0.254: v1(-92.329,-43.815) -92.329,-39.624 -91.567,-38.862 v1(-91.567,-36.322)
NetR10_2: R10.2 R12.1 | length 9.9
  Bottom Layer w0.508: R12.1@-30.737,-26.043 R10.2@-30.737,-16.143
NetR11_1: R11.1 U8.16 U15.6 | length 49.1
  Top Layer w0.254: U15.6@-105.918,-29.311 -105.918,-30.607 -105.156,-31.369 -99.187,-31.369 -98.298,-32.258 v1(-88.9,-32.258) -88.249,-32.909 U8.16@-88.249,-35.604 ; R11.1@-72.971,-45.619 -72.971,-44.523 -71.374,-42.926 v1(-71.374,-40.894)
  Bottom Layer w0.254: v1(-88.9,-32.258) -86.233,-34.925 -77.343,-34.925 v1(-71.374,-40.894)
NetR12_2: R12.2 U7.1 | length 41.2
  Top Layer w0.508: U7.1@-58.42,-12.319 -39.596,-31.143 v1(-27.886,-31.143)
  Bottom Layer w0.508: R12.2@-30.737,-31.143 v1(-27.886,-31.143)
NetR14_1: R14.1 U7.4 | length 43
  Top Layer w0.508: U7.4@-58.42,-73.279 -50.038,-73.279 v1(-27.701,-50.942)
  Bottom Layer w0.508: R14.1@-30.737,-50.942 v1(-27.701,-50.942)
NetR14_2: R14.2 R15.1 | length 9.9
  Bottom Layer w0.508: R15.1@-30.737,-65.942 R14.2@-30.737,-56.042
NetR19_1: R19.1 U1.2 U8.24 | length 23.5
  Top Layer w0.254: U1.2@-109.896,-47.371 -102.833,-47.371 R19.1@-101.664,-46.201 -101.664,-46.137 -94.38,-38.854 U8.24@-89.999,-38.854
NetR20_1: R20.1 U1.3 U8.23 | length 23.1
  Top Layer w0.254: U1.3@-109.896,-46.101 -104.812,-46.101 R20.1@-103.314,-44.604 -97.065,-38.354 U8.23@-89.999,-38.354
NetR22_1: R22.1 U8.11 U9.3 | length 26.2
  Top Layer w0.254: U8.11@-85.749,-35.604 -85.749,-34.949 -84.455,-33.655 -72.898,-33.655 -65.913,-40.64 U9.3@-63.678,-40.64
NetR23_1: R23.1 U8.34 U13.3 | length 27.6
  Top Layer w0.254: U8.34@-86.249,-41.104 -86.249,-42.91 -82.169,-46.99 -82.169,-52.959 -81.28,-53.848 -74.676,-53.848 -73.914,-54.61 R23.1@-73.914,-56.515 U13.3@-73.914,-59.766
NetR24_2: R24.2 U8.35 | length 10.6
  Top Layer w0.254: U8.35@-85.749,-41.104 -85.749,-42.013 -82.296,-45.466 R24.2@-77.47,-45.466
NetR26_1: R26.1 R27.2 | length 4.9
  Top Layer w0.508: R27.2@-7.62,-30.353 R26.1@-2.741,-30.353
NetR27_1: R27.1 R28.2 | length 4.1
  Top Layer w0.508: R28.2@-8.001,-39.37 R27.1@-8.001,-35.253
NetR28_1: R28.1 R29.2 | length 6.9
  Top Layer w0.508: R28.1@-2.83,-39.37 -0.762,-39.37 0.779,-40.911 R29.2@3.429,-40.911
NetR29_1: R29.1 R30.2 U10.5 | length 52
  Top Layer w0.254: U10.5@-44.147,-45.839 -36.695,-45.839 -34.417,-43.561 -4.318,-43.561 -2.921,-44.958 -2.921,-46.887 R30.2@-3.101,-47.067
  Top Layer w0.508: R30.2@-3.101,-47.067 -2.921,-47.067 -0.458,-47.067 0.798,-45.811 R29.1@3.429,-45.811
NetR30_1: R30.1 R31.2 | length 5.3
  Top Layer w0.508: R31.2@-8.001,-52.377 R30.1@-8.001,-47.067
NetR34_1: R34.1 U12.1 | length 7.7
  Top Layer w0.254: R34.1@-96.012,-73.66 -96.012,-75.438 -94.347,-77.103 U12.1@-90.8,-77.103
NetR34_2: R34.2 U11.2 | length 2.7
  Top Layer w0.254: R34.2@-96.012,-71.96 U11.2@-96.012,-69.241
NetR37_3: R37.3 R38.2 | length 3.1
  Top Layer w0.254: -101.6,-78.945 -101.576,-78.969 ; R38.2@-101.576,-78.461 R37.3@-98.577,-78.461 ; R37.3@-98.577,-78.969 R37.3@-98.552,-78.994
NetR40_1: R40.1 R41.2 | length 3.4
  Top Layer w0.508: R41.2@-14.732,-9.728 R40.1@-14.732,-6.375
NetR41_1: R41.1 R44.2 | length 3.3
  Top Layer w0.508: R44.2@-18.034,-12.928 R41.1@-14.732,-12.928
NetR42_1: R42.1 R43.2 U19.3 | length 16.5
  Top Layer w0.254: R43.2@-77.724,-10.922 R42.1@-77.724,-9.525 -71.882,-9.525 -71.247,-8.89 -71.247,-3.175 -70.612,-2.54 U19.3@-68.893,-2.54
NetU8_12: U8.12 U9.4 U13.4 | length 54
  Top Layer w0.254: U8.12@-86.249,-35.604 -86.249,-34.303 -85.601,-33.655 v1(-85.598,-33.655) ; U13.4@-75.184,-59.766 v1(-75.184,-55.372) ; v1(-69.088,-41.91) U9.4@-63.678,-41.91
  Bottom Layer w0.254: v1(-85.598,-33.655) -69.85,-33.655 -69.088,-34.417 v1(-69.088,-41.91) -69.088,-52.07 -72.39,-55.372 v1(-75.184,-55.372)
NetU8_14: U8.14 U9.5 U13.5 | length 60.7
  Top Layer w0.254: U8.14@-87.249,-35.604 -87.249,-32.893 v1(-86.233,-31.877) ; U13.5@-76.454,-59.766 v1(-76.454,-57.658) ; v1(-67.056,-43.18) U9.5@-63.678,-43.18
  Bottom Layer w0.254: v1(-86.233,-31.877) -68.453,-31.877 -67.056,-33.274 v1(-67.056,-43.18) -67.056,-53.467 -71.251,-57.662 -76.45,-57.662 v1(-76.454,-57.658)
NetU8_15: U8.15 U15.7 | length 22.3
  Top Layer w0.254: U15.7@-104.648,-29.311 -104.648,-30.458 -104.372,-30.734 -98.425,-30.734 -97.536,-31.623 -88.138,-31.623 -87.749,-32.012 U8.15@-87.749,-35.604
NRST: P2.1 R21.1 U8.4 | length 35.8
  Top Layer w0.254: U8.4@-84.499,-38.854 -83.558,-38.854 -83.312,-38.608 v1(-82.677,-38.608)
  Bottom Layer w0.254: R21.1@-109.576,-44.093 R21.1@-109.601,-44.118 -104.853,-44.118 -104.14,-44.831 -101.391,-44.831 ; P2.1@-101.391,-40.767 -101.391,-44.831 ; v1(-82.677,-38.608) -83.82,-38.608 -90.043,-44.831 -101.391,-44.831
SWCLK: P2.2 U8.28 | length 10.8
  Top Layer w0.254: v1(-93.472,-43.053) -89.789,-43.053 -89.249,-42.513 U8.28@-89.249,-41.104
  Bottom Layer w0.254: P2.2@-97.491,-40.767 -95.758,-40.767 v1(-93.472,-43.053)
SWDIO: P2.4 U8.25 | length 8
  Top Layer w0.254: v1(-93.98,-40.005) -93.329,-39.354 U8.25@-89.999,-39.354
  Bottom Layer w0.254: P2.4@-97.491,-39.497 -94.488,-39.497 v1(-93.98,-40.005)
Trigger: C52.2 R76.1 R76.2 U23.2 U23.6 | length 15.8
  Top Layer w0.254: U23.2@-103.759,-14.478 v1(-103.759,-12.954) ; v1(-102.489,-10.414) U23.6@-102.489,-8.89 R76.2@-102.489,-5.766 ; C52.2@-102.421,-1.778 -102.421,-2.76 -102.489,-2.828 R76.2@-102.489,-5.766 ; R76.1@-99.949,-5.766 R76.2@-102.489,-5.766
  Bottom Layer w0.254: v1(-103.759,-12.954) -102.489,-11.684 v1(-102.489,-10.414)
TSAL_GLV+: C49.2 U16.3 U17.1 | length 61.8
  Bottom Layer w0.254: U17.1@-81.672,-2.039 -81.02,-2.691 U17.1@-81.02,-3.012
  Bottom Layer w0.5: U16.3@-141.346,-10.311 -132.051,-1.016 -84.836,-1.016 -84.709,-1.143
TSAL_GREEN: K2.6 U16.4 | length 54.6
  Top Layer w0.5: U16.4@-145.796,-10.311 -140.057,-4.572 -110.49,-4.572 v2(-108.331,-6.731)
  Bottom Layer w0.5: v2(-108.331,-6.731) -106.815,-8.247 -100.816,-8.247 -100.443,-7.874 K2.6@-95.25,-7.874
TSAL_RED: Q9.S U16.2 | length 47.5
  Top Layer w0.5: U16.2@-145.796,-19.431 -148.717,-16.51 -148.717,-5.017 -145.224,-1.524 -130.175,-1.524 v2(-129.032,-2.667)
  Bottom Layer w0.254: U16.2@-145.796,-19.431 U16.2@-145.796,-18.92
  Bottom Layer w0.5: v2(-129.032,-2.667) Q9.S@-119.761,-2.667
  Bottom Layer w0.8: U16.2@-145.796,-18.92 U16.2@-145.285,-18.92
TSAL_RED_RLY: K2.8 Q9.D | length 18.8
  Bottom Layer w0.5: Q9.D@-113.111,-4.967 -108.218,-4.967 -106.045,-2.794 K2.8@-95.25,-2.794
UART_RX: P9.2 U8.22 | length 12.2
  Top Layer w0.254: v1(-93.472,-37.465) -93.405,-37.465 -93.016,-37.854 U8.22@-89.999,-37.854
  Bottom Layer w0.254: v1(-93.472,-37.465) -93.472,-34.417 P9.2@-89.535,-30.48
UART_TX: P9.3 U8.21 | length 12
  Top Layer w0.254: v1(-92.329,-36.957) -91.932,-37.354 U8.21@-89.999,-37.354
  Bottom Layer w0.254: v1(-92.329,-36.957) -92.329,-34.671 -89.281,-31.623 -87.884,-31.623 -86.995,-30.734 P9.3@-86.995,-30.48
VBAT_D: C12.2 C13.2 D1.K U4.1
  other v1: -124.841,-58.293 -123.698,-58.293 -124.841,-57.531 -123.698,-57.531
VBAT_F: C9.2 C10.2 C14.2 C15.2 L1.1 U5.7 U5.8 U5.9 | length 3.7
  Bottom Layer w0.254: -118.11,-74.422 U5.9@-118.11,-73.021 U5.8@-117.61,-73.021 U5.7@-117.11,-73.021 -117.11,-74.279 -117.094,-74.295
VDD_PDOC: C37.2 C38.2 C40.1 C41.1 C45.2 C46.2 R33.2 R36.2 R39.2 U11.1 U11.3 U12.5 U13.16 U14.7 U14.10 | length 30.9
  Top Layer w0.254: R36.2@-101.6,-70.817 -98.474,-70.817 v1(-97.79,-71.501) -97.282,-70.993 U11.1@-97.282,-69.241 ; U11.3@-94.742,-69.241 v1(-94.742,-71.374) -94.742,-71.86 -94.593,-72.009 C37.2@-93.472,-72.009 ; v1(-92.456,-72.771) -90.932,-72.771 C38.2@-90.805,-72.644 -90.802,-72.647 U12.5@-90.802,-74.8 ; U12.5@-90.802,-75.435 U12.5@-90.8,-75.438 ; v1(-81.915,-77.851) -81.026,-77.851 -80.813,-77.638 U14.7@-80.813,-76.941 ; U14.10@-79.613,-75.741 -78.31,-75.741 -77.675,-76.376 C45.2@-76.327,-76.376 C46.2@-74.549,-76.376 -74.549,-75.311 v1(-74.754,-75.106) R39.2@-74.754,-74.041 ; U13.16@-71.374,-69.519 -71.374,-71.628 v1(-70.866,-72.136) C40.1@-70.866,-76.2
  other v1: -84.709,-79.502
pads on no net: CS.4 D17.2 D18.2 K1.4 K1.6 K1.8 K1.11 K2.9 K2.11 K2.13 P1.0 P1.2 P1.3 P1.6 P1.7 P2.3 P2.9 P2.10 P3. P4. P5. P6. P7.3 R10. R12. R14. R15. U5.6 U6.8 U8.2 U8.3 U8.7 U8.8 U8.9 U8.10 U8.17 U8.32 U8.33 U9.7 U10.1 U10.2 U10.3 U10.4 U10.6 U10.15 U10.16 U10.17 U13.7 U14.2 U14.3 U14.5 U14.6 U14.15 U14.16 U16.0

## Polygon pours and split planes (outlines as drawn)
GLV- on Top Layer "GLV-_TOP" (solid, pour order 14): -123.317,-6.096 -121.285,-8.128 -109.982,-8.128 -108.966,-9.144 -108.966,-14.859 -108.077,-15.748 -98.298,-15.748 -96.52,-17.526 -96.52,-21.971 -67.691,-21.971 -67.691,0.381 -152.4,0.381 -152.4,-21.082 -144.907,-21.082 -144.145,-20.32 -144.145,-16.51 -139.319,-11.684 -133.731,-6.096
0V_(ISO) on Top Layer "0V_ISO_TOP" (solid, pour order 84): -113.284,-28.067 -113.284,-50.8 -102.489,-61.595 -61.849,-61.595 -61.849,-28.067
0V on Top Layer "0V_TOP" (solid, pour order 81): -152.4,-22.352 -143.891,-22.352 -142.875,-21.336 -142.875,-17.145 -133.477,-7.747 -124.079,-7.747 -122.174,-9.652 -111.633,-9.652 -110.49,-10.795 -110.49,-15.367 -109.347,-16.51 -99.949,-16.51 -98.298,-18.161 -98.298,-21.971 -114.427,-21.971 -117.983,-25.527 -117.983,-50.8 -106.68,-62.103 -106.68,-81.915 -152.4,-81.915
GND_PDOC on Top Layer "GND_PDOC_TOP" (solid, pour order 21): -104.013,-81.788 -104.013,-68.707 -102.997,-67.691 -68.707,-67.691 -68.707,-81.788
VBAT_D on Top Layer "VBAT_D_TOP" (solid, pour order 34): -124.968,-62.484 -124.968,-61.595 -122.936,-59.563 -122.936,-57.023 -123.063,-56.896 -128.016,-56.896 -128.143,-57.023 -128.143,-58.547 -127.889,-58.801 -126.365,-58.801 -126.238,-58.928 -126.238,-62.484 -126.111,-62.611 -125.095,-62.611
NetC11_2 on Top Layer "C11_2_TOP" (solid, pour order 28): -125.095,-64.135 -126.365,-64.135 -126.873,-64.643 -126.873,-70.358 -126.365,-70.866 -126.365,-72.771 -127.254,-73.66 -127.254,-78.74 -127,-78.994 -124.587,-78.994 -124.333,-78.74 -124.333,-66.929 -124.841,-66.421 -124.841,-64.389
0V_(ISO) on Bottom Layer "0V_ISO_BOTTOM" (solid, pour order 86): -113.284,-28.067 -113.284,-50.8 -102.489,-61.595 -61.849,-61.595 -61.849,-28.067
0V on Bottom Layer "0V_BOTTOM" (solid, pour order 80): -152.4,-22.352 -143.891,-22.352 -142.875,-21.336 -142.875,-17.145 -133.477,-7.747 -124.079,-7.747 -122.174,-9.652 -111.633,-9.652 -110.49,-10.795 -110.49,-15.367 -109.347,-16.51 -99.949,-16.51 -98.298,-18.161 -98.298,-21.971 -114.427,-21.971 -117.983,-25.527 -117.983,-50.8 -106.68,-62.103 -106.68,-81.915 -152.4,-81.915
GND_PDOC on Bottom Layer "GND_PDOC_BOT" (solid, pour order 49): -104.013,-81.788 -104.013,-68.707 -102.997,-67.691 -68.707,-67.691 -68.707,-81.788
GLV- on Bottom Layer "Bottom Layer-GLV-" (solid, pour order 77): -123.317,-6.096 -121.285,-8.128 -109.982,-8.128 -108.966,-9.144 -108.966,-14.859 -108.077,-15.748 -98.298,-15.748 -96.52,-17.526 -96.52,-21.971 -67.691,-21.971 -67.691,0.381 -152.4,0.381 -152.4,-21.082 -144.907,-21.082 -144.145,-20.32 -144.145,-16.51 -139.319,-11.684 -139.319,-8.382 -137.033,-6.096
12V on Bottom Layer "12V_BOTTOM" (solid, pour order 26): -77.326,-1.446 -77.326,-4.453 -77.031,-4.749 -75.007,-4.749 -74.803,-4.953 -74.803,-5.969 -74.676,-6.096 -72.849,-6.096 -72.589,-5.836 -72.589,-1.325 -72.718,-1.143 -77.059,-1.143
TSAL_GLV+ on Bottom Layer "TSAL_GLV+_BOTTOM\" (solid, pour order 32): -84.328,-5.842 -84.334,-5.836 -84.969,-5.836 -85.344,-5.461 -85.344,-1.016 -85.09,-0.762 -80.391,-0.762 -80.137,-1.016 -80.137,-4.53 -80.29,-4.683 -82.554,-4.683 -82.831,-4.96 -82.831,-5.61 -83.057,-5.837
NetL2_2 on Bottom Layer "NetL2_BOTTOM" (solid, pour order 43): -118.491,-70.612 -118.491,-69.342 -119.38,-68.453 -121.539,-68.453 -121.539,-71.628 -120.396,-71.628 -119.38,-70.612 -118.618,-70.612
5V on Bottom Layer "5V_BOTTOM_1" (solid, pour order 62): -122.428,-71.755 -122.555,-71.882 -123.698,-71.882 -123.825,-71.755 -123.825,-66.675 -124.333,-66.167 -124.333,-64.389 -124.079,-64.135 -120.396,-64.135 -120.142,-64.389 -120.142,-66.04 -122.428,-68.326 -122.428,-68.58
VBAT_F on Bottom Layer "VBAT_F_BOTTOM" (solid, pour order 57): -127.508,-75.946 -125.73,-74.168 -115.189,-74.168 -114.554,-74.803 -114.554,-76.2 -114.681,-76.327 -115.951,-76.327 -116.459,-76.835 -118.364,-76.835 -118.745,-76.454 -124.841,-76.454 -125.222,-76.835 -125.222,-78.994 -125.349,-79.121 -127.254,-79.121 -127.508,-78.867
VBAT_D on Bottom Layer "Bottom Layer-VBAT_D" (solid, pour order 54): -130.617,-65.64 -130.363,-65.894 -127.315,-65.894 -127.061,-65.64 -127.061,-63.354 -122.997,-59.29 -122.997,-55.861 -123.233,-55.626 -127.969,-55.626 -128.204,-55.861 -128.204,-60.814 -130.617,-63.227
3V3 on Bottom Layer "3V3_BOTTOM" (solid, pour order 44): -101.727,-47.752 -100.838,-48.641 -100.838,-48.895 -104.648,-52.705 -104.902,-52.705 -105.664,-51.943 -105.664,-49.53 -103.886,-47.752
5V on Bottom Layer "5V_BOTTOM_2" (solid, pour order 52): -112.776,-56.515 -115.951,-53.34 -117.983,-53.34 -118.11,-53.467 -118.11,-55.118 -117.983,-55.245 -115.824,-55.245 -113.665,-57.404
NetC8_2 on Bottom Layer "NetC8_BOTTOM" (solid, pour order 50): -127.795,-71.101 -128.176,-70.72 -130.335,-70.72 -131.097,-71.482 -131.097,-74.911 -132.24,-76.054 -134.272,-76.054 -134.526,-76.308 -134.526,-77.705 -134.272,-77.959 -132.494,-77.959 -131.351,-79.102 -128.938,-79.102 -128.557,-78.721 -128.557,-74.276 -127.795,-73.514
GLV- on GND "GLV-_GND" (solid, pour order 78): -123.317,-6.096 -121.285,-8.128 -109.982,-8.128 -108.966,-9.144 -108.966,-14.859 -108.077,-15.748 -98.298,-15.748 -96.52,-17.526 -96.52,-21.971 -67.691,-21.971 -67.691,0.381 -152.4,0.381 -152.4,-21.082 -144.907,-21.082 -144.145,-20.32 -144.145,-16.51 -139.319,-11.684 -139.319,-8.382 -137.033,-6.096
0V_(ISO) on GND "0V_ISO_GND" (solid, pour order 85): -113.284,-28.067 -113.284,-50.8 -102.489,-61.595 -61.849,-61.595 -61.849,-28.067
0V on GND "0V_GND" (solid, pour order 82): -152.4,-22.352 -143.891,-22.352 -142.875,-21.336 -142.875,-17.145 -133.477,-7.747 -124.079,-7.747 -122.174,-9.652 -111.633,-9.652 -110.49,-10.795 -110.49,-15.367 -109.347,-16.51 -99.949,-16.51 -98.298,-18.161 -98.298,-21.971 -114.427,-21.971 -117.983,-25.527 -117.983,-50.8 -106.68,-62.103 -106.68,-81.915 -152.4,-81.915
GND_PDOC on GND "GND_PDOC_GND" (solid, pour order 30): -104.013,-81.788 -104.013,-68.707 -102.997,-67.691 -68.707,-67.691 -68.707,-81.788
5V on PWR "5V_PWR" (solid, pour order 83): -151.257,-22.352 -143.891,-22.352 -142.875,-21.336 -142.875,-17.145 -133.477,-7.747 -124.079,-7.747 -122.174,-9.652 -111.633,-9.652 -110.49,-10.795 -110.49,-15.367 -109.347,-16.51 -99.949,-16.51 -98.298,-18.161 -98.298,-20.574 -114.935,-20.574 -119.38,-25.019 -119.38,-51.181 -107.95,-62.611 -107.95,-80.645 -151.257,-80.645
3V3 on PWR "3V3_PWR" (solid, pour order 87): -112.141,-29.337 -112.141,-50.292 -102.108,-60.325 -63.119,-60.325 -63.119,-29.337
12V on PWR "12V_PWR" (solid, pour order 79): -123.317,-6.096 -121.285,-8.128 -109.982,-8.128 -108.966,-9.144 -108.966,-14.859 -108.077,-15.748 -98.298,-15.748 -96.52,-17.526 -96.52,-20.574 -69.342,-20.574 -69.342,-0.762 -151.257,-0.762 -151.257,-21.082 -144.907,-21.082 -144.145,-20.32 -144.145,-16.51 -139.319,-11.684 -139.319,-8.382 -137.033,-6.096
VDD_PDOC on PWR "3V3_PDOC_PWR" (solid, pour order 31): -102.743,-80.518 -102.743,-68.961 -69.977,-68.961 -69.977,-80.518

## Silkscreen, mask and mechanical layers (free items; w line width, h text height)
Top Overlay:
  drawing of 54 lines, arcs and shapes, not listed
  text "HIGH VOLTAGE" at 7.493,-19.939 h1 r90
  text "HV MC +" at 0.254,-30.226 h1.2
  text "HV MC -" at -0.762,-52.324 h1.2
  text "Discharge Module B4" at -55.626,-64.757 h1.5
  text "18/04/2024" at -55.626,-66.332 h1.5
  text "L.D" at -55.626,-67.682 h1.5
  text "HIGH VOLTAGE" at 8.001,-73.152 h1 r90
Bottom Overlay:
  region: -16.176,-77.428 -16.192,-77.428 -16.192,-77.445 -16.209,-77.445 -16.209,-77.428 -16.209,-77.412 -16.176,-77.412
  region: -27.134,-61.481 -25.444,-61.963 -25.646,-61.45 -24.584,-61.754 -24.584,-61.982 -24.185,-61.583 -24.584,-61.184 -24.584,-61.367 -26.178,-60.866 -25.859,-61.503 -27.134,-60.866
  region: -27.261,-21.222 -25.571,-21.704 -25.773,-21.191 -24.711,-21.495 -24.711,-21.723 -24.312,-21.324 -24.711,-20.925 -24.711,-21.108 -26.305,-20.607 -25.986,-21.244 -27.261,-20.607
  lines w0.254: -106.68,-81.915 -106.68,-62.103 -117.983,-50.8 -117.983,-25.527 -114.427,-21.971 -107.823,-21.971 -67.691,-21.971 -67.691,-0.127 ; -104.013,-81.915 -104.013,-81.407 -104.013,-68.707 -102.997,-67.691 -68.707,-67.691 -68.707,-81.788 ; -64.897,-28.067 -112.141,-28.067 -113.284,-28.067 -113.284,-28.575 -113.284,-35.941 -113.284,-50.8 -111.76,-52.324 -102.489,-61.595 -66.04,-61.595 -61.849,-61.595 -61.849,-56.896 ; -61.849,-54.229 -61.849,-31.496 ; -61.116,-0.156 -61.116,-0.606 -61.116,-12.671 -60.96,-12.827 -55.753,-18.034 -55.753,-67.691 -60.452,-72.39 -60.452,-73.279 -60.452,-81.788
  lines w0.486: -23.797,-24.374 -23.797,-17.895 ; -23.797,-24.284 -29.286,-21.067 -23.797,-17.805 ; -23.67,-64.633 -23.67,-58.154 ; -23.67,-64.543 -29.159,-61.326 -23.67,-58.064
  text "5kW REF ADJUST" at -150.876,9.017 h1.2
  text "HV TEST POINT +" at 11.684,-9.652 h1.2
  text "HIGH VOLTAGE" at -21.717,-15.367 h1 r90
  text "HV MC +" at 8.001,-30.226 h1.2
  text "UART" at -77.216,-30.861 h1
  text "BOOT" at -72.136,-40.259 h1
  text "JTAG" at -95.504,-47.244 h1
  text "PC13" at -90.17,-47.371 h1 r90
  text "CAN RX" at -85.598,-47.498 h1 r90
  text "CAN TX" at -80.754,-47.498 h1 r90
  text "CAN TERM" at -124.46,-51.689 h1.2 r270
  text "HV MC -" at 7.239,-52.451 h1.2
  text "HIGH VOLTAGE" at -21.59,-55.88 h1 r90
  text "HV TEST POINT -" at 13.208,-72.644 h1.2
  text "PDOC REF ADJUST" at -70.104,-79.629 h1.2
Mechanical 1:
  lines w0.254: -120.777,-81.915 -117.729,-81.915 ; -152.4,-81.915 -152.4,0.381 -142.049,0.381 -122.873,0.381 -112.903,0.381 -58.547,0.381 -0.381,0.381 16.383,0.381 16.383,-67.691 16.383,-81.915 0,-81.915 -112.649,-81.915 -152.4,-81.915

## Text inside footprints (layer, text, board x,y; h text height)
C13: Bottom Overlay "+" at -135.898,-61.031 h1.52 r180